# Altium PCB JTAG-批量下载V06.PcbDoc (part 11 of 13)
Units mil, origin at the board's own origin, x right, y up, seen from the top; angles counter-clockwise.
Board outline 6380 x 5290 mil, 2 copper layers (Top Layer, Bottom Layer); 190 components, 238 nets, 1050 pads, 459 vias.
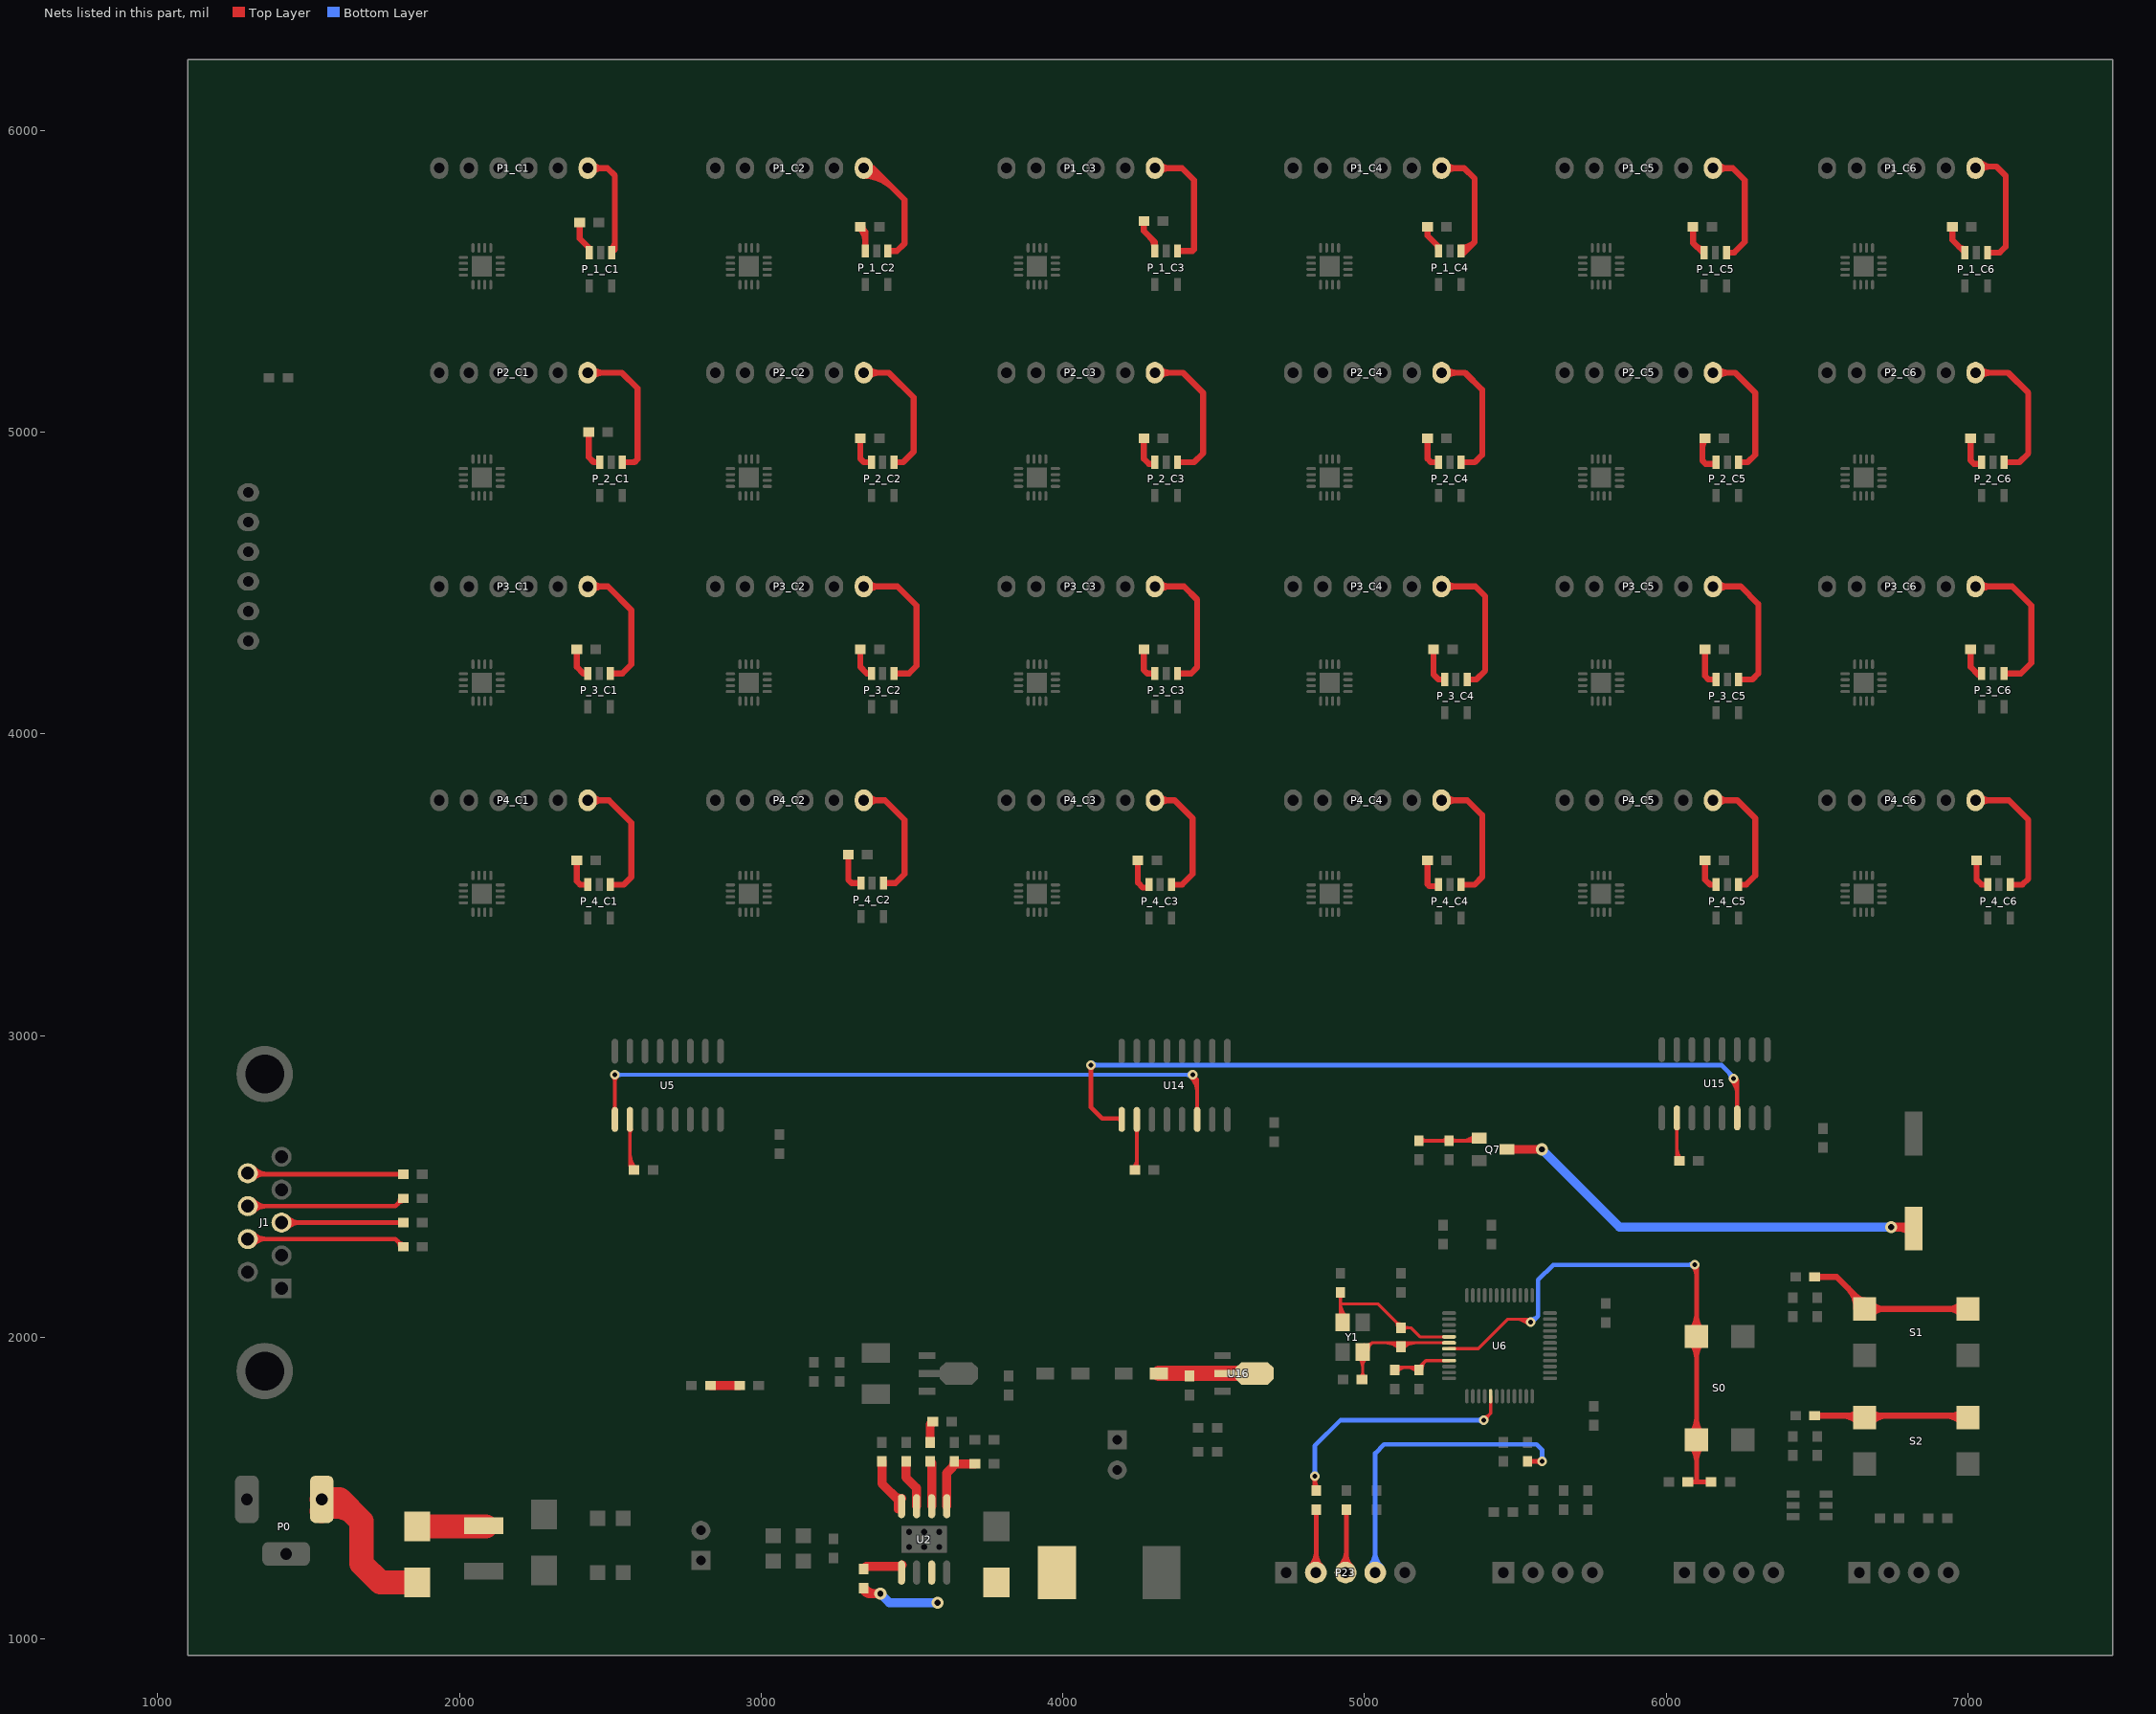
[diagram p11: the nets of this part, all layers, seen from the top]

## Via types
v1: diameter 32, hole 16, Top Layer to Bottom Layer, 347 vias
v2: diameter 50, hole 28, Top Layer to Bottom Layer, 63 vias
v3: diameter 40, hole 20, Top Layer to Bottom Layer, 49 vias

## Nets (pads, with @x,y where several pads share a name; then routed paths per layer and width w, separated by ;. In a path a pad name is that pad's centre, name@x,y a point inside that pad or via, vN(x,y) a via of type N, cw(c..) or ccw(c..) an arc to the next point about the centre after c; other vN are vias at no path point) (continued)
NetC21_1: C21.1 D4.2 U16.2 | length 705.4
  Top Layer w30: 4402.42,1880 cw(c4402.42,1855.88) C21.1@4419.47,1872.94 ; 4402.42,1880 cw(c4402.42,1855.88) C21.1@4419.47,1872.94 ; 4402.42,1880 cw(c4402.42,1855.88) C21.1@4419.47,1872.94 ; C21.1@4420.53,1872.94 cw(c4437.58,1855.88) 4437.58,1880 ; C21.1@4420.53,1872.94 cw(c4437.58,1855.88) 4437.58,1880 ; C21.1@4420.53,1872.94 cw(c4437.58,1855.88) 4437.58,1880 ; U16.2@4555.76,1880 ccw(c4555.76,1934.08) U16.2@4594,1895.84 ; U16.2@4555.76,1880 cw(c4555.76,1825.92) U16.2@4594,1864.16 ; U16.2@4555.76,1880 ccw(c4555.76,1934.08) U16.2@4594,1895.84 ; U16.2@4555.76,1880 cw(c4555.76,1825.92) U16.2@4594,1864.16 ; U16.2@4555.76,1880 ccw(c4555.76,1934.08) U16.2@4594,1895.84 ; U16.2@4555.76,1880 cw(c4555.76,1825.92) U16.2@4594,1864.16
  Top Layer w50: D4.2@4318.07,1880 U16.2@4655,1880
NetC27_1: C27.1 R15.1 U6.9 | length 626.6
  Top Layer w10: R15.1@5100,1900 5180,1900 5202.52,1922.52 ; U6.9@5280,1922.52 5202.52,1922.52 ; R15.1@5100.53,1892.94 cw(c5117.58,1875.88) 5117.58,1900 ; R15.1@5100.53,1892.94 cw(c5117.58,1875.88) 5117.58,1900 ; R15.1@5100.53,1892.94 cw(c5117.58,1875.88) 5117.58,1900 ; R15.1@5107.6,1885.86 cw(c5141.73,1851.74) 5141.73,1900 ; R15.1@5107.6,1885.86 cw(c5141.73,1851.74) 5141.73,1900 ; R15.1@5107.6,1885.86 cw(c5141.73,1851.74) 5141.73,1900 ; 5138.27,1900 cw(c5138.27,1851.74) C27.1@5172.4,1885.86 ; 5138.27,1900 cw(c5138.27,1851.74) C27.1@5172.4,1885.86 ; 5138.27,1900 cw(c5138.27,1851.74) C27.1@5172.4,1885.86 ; 5162.42,1900 cw(c5162.42,1875.88) C27.1@5179.47,1892.94 ; 5162.42,1900 cw(c5162.42,1875.88) C27.1@5179.47,1892.94 ; 5162.42,1900 cw(c5162.42,1875.88) C27.1@5179.47,1892.94 ; C27.1@5190.75,1893.6 cw(c5230.94,1894.09) 5202.52,1922.52 ; C27.1@5190.75,1893.6 cw(c5230.94,1894.09) 5202.52,1922.52 ; C27.1@5190.75,1893.6 cw(c5230.94,1894.09) 5202.52,1922.52
NetC49_1: C49.1 D8.2 L4.1 U2.3 | length 485.6
  Top Layer w30: C49.1@3340,1168.5 3341.5,1168.5 3360,1150 ; v3(3395,1150) 3360,1150 ; C49.1@3340.53,1167.06 ccw(c3381.73,1208.26) v3@3381.73,1150 ; C49.1@3340.53,1167.06 ccw(c3381.73,1208.26) v3@3381.73,1150 ; C49.1@3340.53,1167.06 ccw(c3381.73,1208.26) v3@3381.73,1150 ; C49.1@3340.74,1166.64 ccw(c3360,1169.46) 3360,1150 ; C49.1@3340.74,1166.64 ccw(c3360,1169.46) 3360,1150 ; C49.1@3340.74,1166.64 ccw(c3360,1169.46) 3360,1150
  Bottom Layer w30: v3(3395,1150) 3425,1120 v3(3585,1120)
NetC49_2: C49.2 U2.1 | length 222.6
  Top Layer w30: C49.2@3340,1231.5 3348.5,1240 U2.1@3455,1240 ; C49.2@3340.53,1232.94 cw(c3357.58,1215.88) 3357.58,1240 ; C49.2@3340.53,1232.94 cw(c3357.58,1215.88) 3357.58,1240 ; C49.2@3340.53,1232.94 cw(c3357.58,1215.88) 3357.58,1240 ; 3452.93,1240 ccw(c3452.93,1260.07) U2.1@3467.12,1245.88 ; 3452.93,1240 ccw(c3452.93,1260.07) U2.1@3467.12,1245.88 ; 3452.93,1240 ccw(c3452.93,1260.07) U2.1@3467.12,1245.88
NetC50_1: C50.1 U2.8 | length 268.1
  Top Layer w30: C50.1@3400,1590 3400,1515 3455,1460 U2.8@3455,1430 ; 3439.39,1475.61 ccw(c3465,1501.21) U2.8@3465,1465 ; 3439.39,1475.61 ccw(c3465,1501.21) U2.8@3465,1465 ; 3439.39,1475.61 ccw(c3465,1501.21) U2.8@3465,1465
NetC51_1: C51.1 U2.6 | length 150.6
  Top Layer w30: C51.1@3560,1588.5 3565,1583.5 U2.6@3565,1440
NetC51_2: C51.2 R10.2 | length 130.4
  Top Layer w30: C51.2@3560,1650 3560,1711.5 R10.2@3568.5,1720 ; 3560,1702.42 cw(c3584.12,1702.42) R10.2@3567.06,1719.47 ; 3560,1702.42 cw(c3584.12,1702.42) R10.2@3567.06,1719.47 ; 3560,1702.42 cw(c3584.12,1702.42) R10.2@3567.06,1719.47
NetD1_1: D1.1 P0.1 | length 866.7
  Top Layer w80: P0.1@1543.31,1462.83 1602.17,1462.83 1675,1390 1675,1250 1737.52,1187.48 D1.1@1860,1187.48 ; P0.1@1542.95,1423.99 cw(c1590.91,1353.35) 1651.28,1413.72 ; P0.1@1542.95,1423.99 cw(c1590.91,1353.35) 1651.28,1413.72 ; P0.1@1542.95,1423.99 cw(c1590.91,1353.35) 1651.28,1413.72
NetD1_2: D1.2 F1.1 | length 227.5
  Top Layer w80: D1.2@1860,1372.52 F1.1@2087.52,1372.52
NetJ1_3: J1.3 R2.1 | length 790.6
  Top Layer w15: J1.3@1409.92,2380 R2.1@1813.5,2380 ; J1.3@1428.14,2361.78 cw(c1472.13,2317.79) 1472.13,2380 ; J1.3@1428.14,2361.78 cw(c1472.13,2317.79) 1472.13,2380 ; J1.3@1428.14,2361.78 cw(c1472.13,2317.79) 1472.13,2380 ; J1.3@1428.14,2398.22 ccw(c1472.13,2442.21) 1472.13,2380 ; J1.3@1428.14,2398.22 ccw(c1472.13,2442.21) 1472.13,2380 ; J1.3@1428.14,2398.22 ccw(c1472.13,2442.21) 1472.13,2380 ; 1791.62,2380 ccw(c1791.62,2399.91) R2.1@1805.7,2385.83 ; 1791.62,2380 cw(c1791.62,2360.09) R2.1@1805.7,2374.17 ; 1791.62,2380 ccw(c1791.62,2399.91) R2.1@1805.7,2385.83 ; 1791.62,2380 cw(c1791.62,2360.09) R2.1@1805.7,2374.17 ; 1791.62,2380 ccw(c1791.62,2399.91) R2.1@1805.7,2385.83 ; 1791.62,2380 cw(c1791.62,2360.09) R2.1@1805.7,2374.17
NetJ1_7: J1.7 R1.1 | length 912.9
  Top Layer w15: J1.7@1298.11,2325.47 1788.03,2325.47 R1.1@1813.5,2300 ; J1.7@1316.33,2307.25 cw(c1360.32,2263.26) 1360.32,2325.47 ; J1.7@1316.33,2307.25 cw(c1360.32,2263.26) 1360.32,2325.47 ; J1.7@1316.33,2307.25 cw(c1360.32,2263.26) 1360.32,2325.47 ; J1.7@1316.33,2343.69 ccw(c1360.32,2387.68) 1360.32,2325.47 ; J1.7@1316.33,2343.69 ccw(c1360.32,2387.68) 1360.32,2325.47 ; J1.7@1316.33,2343.69 ccw(c1360.32,2387.68) 1360.32,2325.47 ; 1796.06,2317.44 cw(c1778.62,2300) R1.1@1803.29,2300 ; 1796.06,2317.44 cw(c1778.62,2300) R1.1@1803.29,2300 ; 1796.06,2317.44 cw(c1778.62,2300) R1.1@1803.29,2300 ; R1.1@1800.82,2312.69 ccw(c1811.54,2323.41) R1.1@1811.54,2308.25 ; R1.1@1800.82,2312.69 ccw(c1811.54,2323.41) R1.1@1811.54,2308.25 ; R1.1@1800.82,2312.69 ccw(c1811.54,2323.41) R1.1@1811.54,2308.25
NetJ1_8: J1.8 R5.1 | length 912.9
  Top Layer w15: J1.8@1298.11,2434.53 1788.03,2434.53 R5.1@1813.5,2460 ; J1.8@1316.33,2416.31 cw(c1360.32,2372.32) 1360.32,2434.53 ; J1.8@1316.33,2416.31 cw(c1360.32,2372.32) 1360.32,2434.53 ; J1.8@1316.33,2416.31 cw(c1360.32,2372.32) 1360.32,2434.53 ; J1.8@1316.33,2452.75 ccw(c1360.32,2496.74) 1360.32,2434.53 ; J1.8@1316.33,2452.75 ccw(c1360.32,2496.74) 1360.32,2434.53 ; J1.8@1316.33,2452.75 ccw(c1360.32,2496.74) 1360.32,2434.53 ; 1796.06,2442.56 ccw(c1778.62,2460) R5.1@1803.29,2460 ; 1796.06,2442.56 ccw(c1778.62,2460) R5.1@1803.29,2460 ; 1796.06,2442.56 ccw(c1778.62,2460) R5.1@1803.29,2460 ; R5.1@1800.82,2447.31 cw(c1811.54,2436.59) R5.1@1811.54,2451.75 ; R5.1@1800.82,2447.31 cw(c1811.54,2436.59) R5.1@1811.54,2451.75 ; R5.1@1800.82,2447.31 cw(c1811.54,2436.59) R5.1@1811.54,2451.75
NetJ1_9: J1.9 R9.1 | length 993.9
  Top Layer w15: J1.9@1298.11,2543.58 1301.69,2540 R9.1@1813.5,2540 ; J1.9@1305.72,2551.2 ccw(c1332.75,2578.23) 1332.75,2540 ; J1.9@1305.72,2551.2 ccw(c1332.75,2578.23) 1332.75,2540 ; J1.9@1305.72,2551.2 ccw(c1332.75,2578.23) 1332.75,2540 ; J1.9@1316.33,2525.36 cw(c1351.67,2490.02) 1351.67,2540 ; J1.9@1316.33,2525.36 cw(c1351.67,2490.02) 1351.67,2540 ; J1.9@1316.33,2525.36 cw(c1351.67,2490.02) 1351.67,2540 ; J1.9@1316.33,2561.8 ccw(c1368.97,2614.44) 1368.97,2540 ; J1.9@1316.33,2561.8 ccw(c1368.97,2614.44) 1368.97,2540 ; J1.9@1316.33,2561.8 ccw(c1368.97,2614.44) 1368.97,2540 ; 1791.62,2540 ccw(c1791.62,2559.91) R9.1@1805.7,2545.83 ; 1791.62,2540 cw(c1791.62,2520.09) R9.1@1805.7,2534.17 ; 1791.62,2540 ccw(c1791.62,2559.91) R9.1@1805.7,2545.83 ; 1791.62,2540 cw(c1791.62,2520.09) R9.1@1805.7,2534.17 ; 1791.62,2540 ccw(c1791.62,2559.91) R9.1@1805.7,2545.83 ; 1791.62,2540 cw(c1791.62,2520.09) R9.1@1805.7,2534.17
NetLD0_1: LD0.1 R3.2 | length 97
  Top Layer w30: LD0.1@2831.5,1840 R3.2@2928.5,1840
NetLS1_2: LS1.2 Q7.3 | length 1584.8
  Top Layer w30: Q7.3@5472.43,2622.6 v3(5587.4,2622.6) ; v3(6745,2365) LS1.2@6825,2365 ; 6771.72,2365 cw(c6771.72,2311.72) LS1.2@6809.39,2349.39 ; 6771.72,2365 cw(c6771.72,2311.72) LS1.2@6809.39,2349.39 ; 6771.72,2365 cw(c6771.72,2311.72) LS1.2@6809.39,2349.39
  Bottom Layer w30: v3(5587.4,2622.6) 5845,2365 v3(6745,2365)
NetP23_2: P23.2 R43.1 | length 716.7
  Top Layer w15: P23.2@4838.43,1220 4840,1221.57 R43.1@4840,1428.5 ; P23.2@4818.27,1240.15 ccw(c4765.82,1292.61) 4840,1292.61 ; P23.2@4818.27,1240.15 ccw(c4765.82,1292.61) 4840,1292.61 ; P23.2@4818.27,1240.15 ccw(c4765.82,1292.61) 4840,1292.61 ; P23.2@4828.88,1229.55 ccw(c4802.03,1256.39) 4840,1256.39 ; P23.2@4828.88,1229.55 ccw(c4802.03,1256.39) 4840,1256.39 ; P23.2@4828.88,1229.55 ccw(c4802.03,1256.39) 4840,1256.39 ; R43.1@4834.17,1420.7 cw(c4820.09,1406.62) 4840,1406.62 ; R43.1@4834.17,1420.7 cw(c4820.09,1406.62) 4840,1406.62 ; R43.1@4834.17,1420.7 cw(c4820.09,1406.62) 4840,1406.62 ; 4840,1285.01 ccw(c4903.43,1285.01) P23.2@4858.58,1240.15 ; 4840,1285.01 ccw(c4903.43,1285.01) P23.2@4858.58,1240.15 ; 4840,1285.01 ccw(c4903.43,1285.01) P23.2@4858.58,1240.15 ; 4840,1406.62 cw(c4859.91,1406.62) R43.1@4845.83,1420.7 ; 4840,1406.62 cw(c4859.91,1406.62) R43.1@4845.83,1420.7 ; 4840,1406.62 cw(c4859.91,1406.62) R43.1@4845.83,1420.7
NetP_1_C1_3: P_1_C1.3 R29.1 | length 151.6
  Top Layer w20: R29.1@2398.5,5695 2398.5,5641.5 2430.2,5609.8 P_1_C1.3@2430.2,5595 ; P_1_C1.3@2423.6,5616.4 cw(c2412.04,5604.84) P_1_C1.3@2428.39,5604.84 ; P_1_C1.3@2423.6,5616.4 cw(c2412.04,5604.84) P_1_C1.3@2428.39,5604.84 ; P_1_C1.3@2423.6,5616.4 cw(c2412.04,5604.84) P_1_C1.3@2428.39,5604.84
NetP_1_C2_3: P_1_C2.3 R30.1 | length 356
  Top Layer w20: R30.1@3328.5,5680 3345.2,5663.31 P_1_C2.3@3345.2,5600 ; R30.1@3326.41,5675.94 cw(c3281.05,5630.58) 3345.2,5630.58 ; R30.1@3326.41,5675.94 cw(c3281.05,5630.58) 3345.2,5630.58 ; R30.1@3326.41,5675.94 cw(c3281.05,5630.58) 3345.2,5630.58 ; R30.1@3329.99,5674.27 cw(c3328.61,5657.74) 3345.2,5657.74 ; R30.1@3329.99,5674.27 cw(c3328.61,5657.74) 3345.2,5657.74 ; R30.1@3329.99,5674.27 cw(c3328.61,5657.74) 3345.2,5657.74 ; R30.1@3336.22,5680 ccw(c3354.85,5680) R30.1@3341.68,5666.83 ; R30.1@3336.22,5680 ccw(c3354.85,5680) R30.1@3341.68,5666.83 ; R30.1@3336.22,5680 ccw(c3354.85,5680) R30.1@3341.68,5666.83
NetP_1_C3_3: P_1_C3.3 R31.1 | length 239
  Top Layer w20: R31.1@4268.5,5700 4268.5,5666.5 4305.2,5629.8 P_1_C3.3@4305.2,5600 ; 4287.99,5647.01 cw(c4250.82,5609.84) P_1_C3.3@4303.39,5609.84 ; 4287.99,5647.01 cw(c4250.82,5609.84) P_1_C3.3@4303.39,5609.84 ; 4287.99,5647.01 cw(c4250.82,5609.84) P_1_C3.3@4303.39,5609.84
NetP_1_C4_3: P_1_C4.3 R32.1 | length 133.7
  Top Layer w20: R32.1@5208.5,5680 5208.5,5651.5 5245.2,5614.8 P_1_C4.3@5245.2,5600 ; P_1_C4.3@5238.6,5621.4 cw(c5227.04,5609.84) P_1_C4.3@5243.39,5609.84 ; P_1_C4.3@5238.6,5621.4 cw(c5227.04,5609.84) P_1_C4.3@5243.39,5609.84 ; P_1_C4.3@5238.6,5621.4 cw(c5227.04,5609.84) P_1_C4.3@5243.39,5609.84
NetP_1_C5_3: P_1_C5.3 R33.1 | length 199.1
  Top Layer w20: R33.1@6088.5,5680 6088.5,5626.5 6120,5595 P_1_C5.3@6125.2,5595 ; 6096.43,5618.57 ccw(c6125.2,5647.33) P_1_C5.3@6125.2,5606.65 ; 6096.43,5618.57 ccw(c6125.2,5647.33) P_1_C5.3@6125.2,5606.65 ; 6096.43,5618.57 ccw(c6125.2,5647.33) P_1_C5.3@6125.2,5606.65
NetP_1_C6_3: P_1_C6.3 R34.1 | length 169.8
  Top Layer w20: R34.1@6948.5,5680 6948.5,5636.5 6990,5595 P_1_C6.3@6990.2,5595 ; 6969.97,5615.03 ccw(c6990.2,5635.26) P_1_C6.3@6990.2,5606.65 ; 6969.97,5615.03 ccw(c6990.2,5635.26) P_1_C6.3@6990.2,5606.65 ; 6969.97,5615.03 ccw(c6990.2,5635.26) P_1_C6.3@6990.2,5606.65
NetP_2_C1_3: P_2_C1.3 R57.1 | length 127
  Top Layer w20: R57.1@2428.5,5000 2428.5,4916.5 2445,4900 P_2_C1.3@2465.2,4900
NetP_2_C2_3: P_2_C2.3 R52.1 | length 110
  Top Layer w20: R52.1@3328.5,4980 3328.5,4911.5 3340,4900 P_2_C2.3@3365.2,4900
NetP_2_C3_3: P_2_C3.3 R53.1 | length 156.1
  Top Layer w20: R53.1@4268.5,4980 4268.5,4911.5 4285,4895 P_2_C3.3@4300,4895 ; 4289.13,4895 cw(c4289.13,4874.09) P_2_C3.3@4303.92,4888.88 ; 4289.13,4895 cw(c4289.13,4874.09) P_2_C3.3@4303.92,4888.88 ; 4289.13,4895 cw(c4289.13,4874.09) P_2_C3.3@4303.92,4888.88
NetP_2_C4_3: P_2_C4.3 R54.1 | length 110
  Top Layer w20: R54.1@5208.5,4980 5208.5,4911.5 5220,4900 P_2_C4.3@5245.2,4900
NetP_2_C5_3: P_2_C5.3 R55.1 | length 262.2
  Top Layer w20: R55.1@6128.5,4980 6120,4971.5 6120,4905 6130,4895 P_2_C5.3@6165,4895 ; 6120,4950.35 cw(c6156.19,4950.35) R55.1@6130.6,4975.94 ; 6120,4950.35 cw(c6156.19,4950.35) R55.1@6130.6,4975.94 ; 6120,4950.35 cw(c6156.19,4950.35) R55.1@6130.6,4975.94 ; 6149.13,4895 cw(c6149.13,4874.09) P_2_C5.3@6163.92,4888.88 ; 6149.13,4895 cw(c6149.13,4874.09) P_2_C5.3@6163.92,4888.88 ; 6149.13,4895 cw(c6149.13,4874.09) P_2_C5.3@6163.92,4888.88
NetP_2_C6_3: P_2_C6.3 R56.1 | length 164
  Top Layer w20: R56.1@7008.5,4980 7008.5,4906.5 7020,4895 P_2_C6.3@7045,4895 ; 7029.13,4895 cw(c7029.13,4874.09) P_2_C6.3@7043.92,4888.88 ; 7029.13,4895 cw(c7029.13,4874.09) P_2_C6.3@7043.92,4888.88 ; 7029.13,4895 cw(c7029.13,4874.09) P_2_C6.3@7043.92,4888.88
NetP_3_C1_3: P_3_C1.3 R61.1 | length 104.1
  Top Layer w20: R61.1@2388.5,4280 2388.5,4221.5 2410,4200 P_3_C1.3@2425.2,4200
NetP_3_C2_3: P_3_C2.3 R62.1 | length 104.1
  Top Layer w20: R62.1@3328.5,4280 3328.5,4221.5 3350,4200 P_3_C2.3@3365.2,4200
NetP_3_C3_3: P_3_C3.3 R63.1 | length 110
  Top Layer w20: R63.1@4268.5,4280 4268.5,4211.5 4280,4200 P_3_C3.3@4305.2,4200
NetP_3_C4_3: P_3_C4.3 R64.1 | length 127
  Top Layer w20: R64.1@5228.5,4280 5228.5,4196.5 5245,4180 P_3_C4.3@5265.2,4180
NetP_3_C5_3: P_3_C5.3 R65.1 | length 130
  Top Layer w20: R65.1@6128.5,4280 6128.5,4191.5 6140,4180 P_3_C5.3@6165.2,4180
NetP_3_C6_3: P_3_C6.3 R66.1 | length 106
  Top Layer w20: R66.1@7008.5,4280 7008.5,4221.5 7035,4195 P_3_C6.3@7045,4195
NetP_4_C1_3: P_4_C1.3 R71.1 | length 110
  Top Layer w20: R71.1@2388.5,3580 2388.5,3511.5 2400,3500 P_4_C1.3@2425.2,3500
NetP_4_C2_3: P_4_C2.3 R72.1 | length 130
  Top Layer w20: R72.1@3288.5,3600 3288.5,3516.5 3300,3505 P_4_C2.3@3330.2,3505
NetP_4_C3_3: P_4_C3.3 R73.1 | length 116.8
  Top Layer w20: R73.1@4248.5,3580 4248.5,3506.5 4265,3490 P_4_C3.3@4285,3490
NetP_4_C4_3: P_4_C4.3 R74.1 | length 161.9
  Top Layer w20: R74.1@5208.5,3580 5208.5,3501.5 5215,3495 P_4_C4.3@5240,3495 ; 5229.13,3495 cw(c5229.13,3474.09) P_4_C4.3@5243.92,3488.88 ; 5229.13,3495 cw(c5229.13,3474.09) P_4_C4.3@5243.92,3488.88 ; 5229.13,3495 cw(c5229.13,3474.09) P_4_C4.3@5243.92,3488.88
NetP_4_C5_3: P_4_C5.3 R75.1 | length 101.8
  Top Layer w20: R75.1@6128.5,3580 6128.5,3516.5 6145,3500 P_4_C5.3@6160,3500
NetP_4_C6_3: P_4_C6.3 R76.1 | length 107
  Top Layer w20: R76.1@7028.5,3580 7028.5,3516.5 7045,3500 P_4_C6.3@7065.2,3500
NetQ7_1: Q7.1 R20.2 R21.2 | length 729.3
  Top Layer w12: R20.2@5180,2651.5 Q7.1@5371.5,2651.5 ; R20.2@5186.89,2644.6 cw(c5203.53,2627.96) 5203.53,2651.5 ; R20.2@5186.89,2644.6 cw(c5203.53,2627.96) 5203.53,2651.5 ; R20.2@5186.89,2644.6 cw(c5203.53,2627.96) 5203.53,2651.5 ; R20.2@5186.89,2658.39 ccw(c5203.53,2675.03) 5203.53,2651.5 ; R20.2@5186.89,2658.39 ccw(c5203.53,2675.03) 5203.53,2651.5 ; R20.2@5186.89,2658.39 ccw(c5203.53,2675.03) 5203.53,2651.5 ; 5256.47,2651.5 ccw(c5256.47,2675.03) R21.2@5273.11,2658.39 ; 5256.47,2651.5 cw(c5256.47,2627.96) R21.2@5273.11,2644.6 ; 5256.47,2651.5 ccw(c5256.47,2675.03) R21.2@5273.11,2658.39 ; 5256.47,2651.5 cw(c5256.47,2627.96) R21.2@5273.11,2644.6 ; 5256.47,2651.5 ccw(c5256.47,2675.03) R21.2@5273.11,2658.39 ; 5256.47,2651.5 cw(c5256.47,2627.96) R21.2@5273.11,2644.6 ; R21.2@5286.89,2644.6 cw(c5303.53,2627.96) 5303.53,2651.5 ; R21.2@5286.89,2644.6 cw(c5303.53,2627.96) 5303.53,2651.5 ; R21.2@5286.89,2644.6 cw(c5303.53,2627.96) 5303.53,2651.5 ; R21.2@5286.89,2658.39 ccw(c5303.53,2675.03) 5303.53,2651.5 ; R21.2@5286.89,2658.39 ccw(c5303.53,2675.03) 5303.53,2651.5 ; R21.2@5286.89,2658.39 ccw(c5303.53,2675.03) 5303.53,2651.5 ; 5323.89,2651.5 ccw(c5323.89,2709.5) Q7.1@5364.91,2668.49 ; 5323.89,2651.5 ccw(c5323.89,2709.5) Q7.1@5364.91,2668.49 ; 5323.89,2651.5 ccw(c5323.89,2709.5) Q7.1@5364.91,2668.49 ; 5352.86,2651.5 ccw(c5352.86,2680.53) Q7.1@5373.39,2660 ; 5352.86,2651.5 ccw(c5352.86,2680.53) Q7.1@5373.39,2660 ; 5352.86,2651.5 ccw(c5352.86,2680.53) Q7.1@5373.39,2660
NetR6_1: R6.1 U2.7 | length 163
  Top Layer w30: R6.1@3480,1588.5 3480,1535 3515,1500 U2.7@3515,1440
NetR7_2: R7.2 R8.1 U2.5 | length 342.6
  Top Layer w30: U2.5@3615,1440 3615,1550 3645,1580 R8.1@3708.5,1580 ; 3630.57,1565.57 ccw(c3609.6,1586.54) R7.2@3639.25,1586.54 ; 3630.57,1565.57 ccw(c3609.6,1586.54) R7.2@3639.25,1586.54 ; 3630.57,1565.57 ccw(c3609.6,1586.54) R7.2@3639.25,1586.54 ; R7.2@3640.53,1587.06 ccw(c3657.58,1604.12) 3657.58,1580 ; R7.2@3640.53,1587.06 ccw(c3657.58,1604.12) 3657.58,1580 ; R7.2@3640.53,1587.06 ccw(c3657.58,1604.12) 3657.58,1580
NetR36_2: R36.2 S1.3 S1.4 | length 1598.2
  Top Layer w20: R36.2@6491.5,2200 6565,2200 6671.46,2093.54 S1.4@7000,2093.54 ; 6602.21,2162.79 cw(c6534.94,2095.51) S1.3@6630.08,2095.51 ; 6602.21,2162.79 cw(c6534.94,2095.51) S1.3@6630.08,2095.51 ; 6602.21,2162.79 cw(c6534.94,2095.51) S1.3@6630.08,2095.51 ; 6631.2,2133.8 ccw(c6657.48,2160.08) S1.3@6657.48,2122.91 ; 6631.2,2133.8 ccw(c6657.48,2160.08) S1.3@6657.48,2122.91 ; 6631.2,2133.8 ccw(c6657.48,2160.08) S1.3@6657.48,2122.91 ; S1.3@6636.35,2128.65 cw(c6603.22,2095.51) S1.3@6650.08,2095.51 ; S1.3@6636.35,2128.65 cw(c6603.22,2095.51) S1.3@6650.08,2095.51 ; S1.3@6636.35,2128.65 cw(c6603.22,2095.51) S1.3@6650.08,2095.51 ; S1.3@6676.86,2074.17 cw(c6723.63,2027.39) 6723.63,2093.54 ; S1.3@6676.86,2074.17 cw(c6723.63,2027.39) 6723.63,2093.54 ; S1.3@6676.86,2074.17 cw(c6723.63,2027.39) 6723.63,2093.54 ; S1.3@6676.86,2112.92 ccw(c6723.63,2159.7) 6723.63,2093.54 ; S1.3@6676.86,2112.92 ccw(c6723.63,2159.7) 6723.63,2093.54 ; S1.3@6676.86,2112.92 ccw(c6723.63,2159.7) 6723.63,2093.54 ; 6933.85,2093.54 ccw(c6933.85,2159.7) S1.4@6980.62,2112.92 ; 6933.85,2093.54 cw(c6933.85,2027.39) S1.4@6980.62,2074.17 ; 6933.85,2093.54 ccw(c6933.85,2159.7) S1.4@6980.62,2112.92 ; 6933.85,2093.54 cw(c6933.85,2027.39) S1.4@6980.62,2074.17 ; 6933.85,2093.54 ccw(c6933.85,2159.7) S1.4@6980.62,2112.92 ; 6933.85,2093.54 cw(c6933.85,2027.39) S1.4@6980.62,2074.17
NetR37_2: R37.2 S2.3 S2.4 | length 1446.4
  Top Layer w20: R37.2@6491.5,1740 6993.54,1740 S2.4@7000,1733.54 ; 6580.49,1740 cw(c6580.49,1658.52) S2.3@6638.1,1716.14 ; 6580.49,1740 cw(c6580.49,1658.52) S2.3@6638.1,1716.14 ; 6580.49,1740 cw(c6580.49,1658.52) S2.3@6638.1,1716.14 ; 6602.16,1740 ccw(c6602.16,1790.83) S2.3@6638.1,1754.89 ; 6602.16,1740 ccw(c6602.16,1790.83) S2.3@6638.1,1754.89 ; 6602.16,1740 ccw(c6602.16,1790.83) S2.3@6638.1,1754.89 ; S2.3@6676.86,1716.14 cw(c6734.47,1658.52) 6734.47,1740 ; S2.3@6676.86,1716.14 cw(c6734.47,1658.52) 6734.47,1740 ; S2.3@6676.86,1716.14 cw(c6734.47,1658.52) 6734.47,1740 ; S2.3@6676.86,1754.89 ccw(c6712.8,1790.83) 6712.8,1740 ; S2.3@6676.86,1754.89 ccw(c6712.8,1790.83) 6712.8,1740 ; S2.3@6676.86,1754.89 ccw(c6712.8,1790.83) 6712.8,1740 ; 6923.01,1740 cw(c6923.01,1658.52) S2.4@6980.62,1716.14 ; 6923.01,1740 cw(c6923.01,1658.52) S2.4@6980.62,1716.14 ; 6923.01,1740 cw(c6923.01,1658.52) S2.4@6980.62,1716.14 ; 6944.68,1740 ccw(c6944.68,1790.83) S2.4@6980.62,1754.89 ; 6944.68,1740 ccw(c6944.68,1790.83) S2.4@6980.62,1754.89 ; 6944.68,1740 ccw(c6944.68,1790.83) S2.4@6980.62,1754.89
NetR67_2: R67.2 U15.10 | length 308.3
  Top Layer w12: U15.10@6035,2726.81 6035,2593.5 R67.2@6043.5,2585 ; U15.10@6031.59,2692.89 cw(c6023.35,2684.65) 6035,2684.65 ; U15.10@6031.59,2692.89 cw(c6023.35,2684.65) 6035,2684.65 ; U15.10@6031.59,2692.89 cw(c6023.35,2684.65) 6035,2684.65 ; 6035,2624.31 ccw(c6080.85,2624.31) R67.2@6048.43,2591.89 ; 6035,2624.31 ccw(c6080.85,2624.31) R67.2@6048.43,2591.89 ; 6035,2624.31 ccw(c6080.85,2624.31) R67.2@6048.43,2591.89 ; 6035,2684.65 cw(c6046.65,2684.65) U15.10@6038.41,2692.89 ; 6035,2684.65 cw(c6046.65,2684.65) U15.10@6038.41,2692.89 ; 6035,2684.65 cw(c6046.65,2684.65) U15.10@6038.41,2692.89
NetR68_2: R68.2 U5.10 | length 455.6
  Top Layer w12: U5.10@2565,2721.81 2565,2568.5 R68.2@2578.5,2555 ; U5.10@2561.59,2687.89 cw(c2553.35,2679.65) 2565,2679.65 ; U5.10@2561.59,2687.89 cw(c2553.35,2679.65) 2565,2679.65 ; U5.10@2561.59,2687.89 cw(c2553.35,2679.65) 2565,2679.65 ; 2565,2577.41 ccw(c2598.95,2577.41) R68.2@2574.94,2553.41 ; 2565,2577.41 ccw(c2598.95,2577.41) R68.2@2574.94,2553.41 ; 2565,2577.41 ccw(c2598.95,2577.41) R68.2@2574.94,2553.41 ; 2565,2606.38 ccw(c2627.92,2606.38) R68.2@2583.43,2561.89 ; 2565,2606.38 ccw(c2627.92,2606.38) R68.2@2583.43,2561.89 ; 2565,2606.38 ccw(c2627.92,2606.38) R68.2@2583.43,2561.89 ; 2565,2679.65 cw(c2576.65,2679.65) U5.10@2568.41,2687.89 ; 2565,2679.65 cw(c2576.65,2679.65) U5.10@2568.41,2687.89 ; 2565,2679.65 cw(c2576.65,2679.65) U5.10@2568.41,2687.89